# KiCad board leafony-ap03-stm32.kicad_pcb
title: Leafony AP03 STM32; date: 2025-07-06; rev: v1.0; company: mitdir Inc.
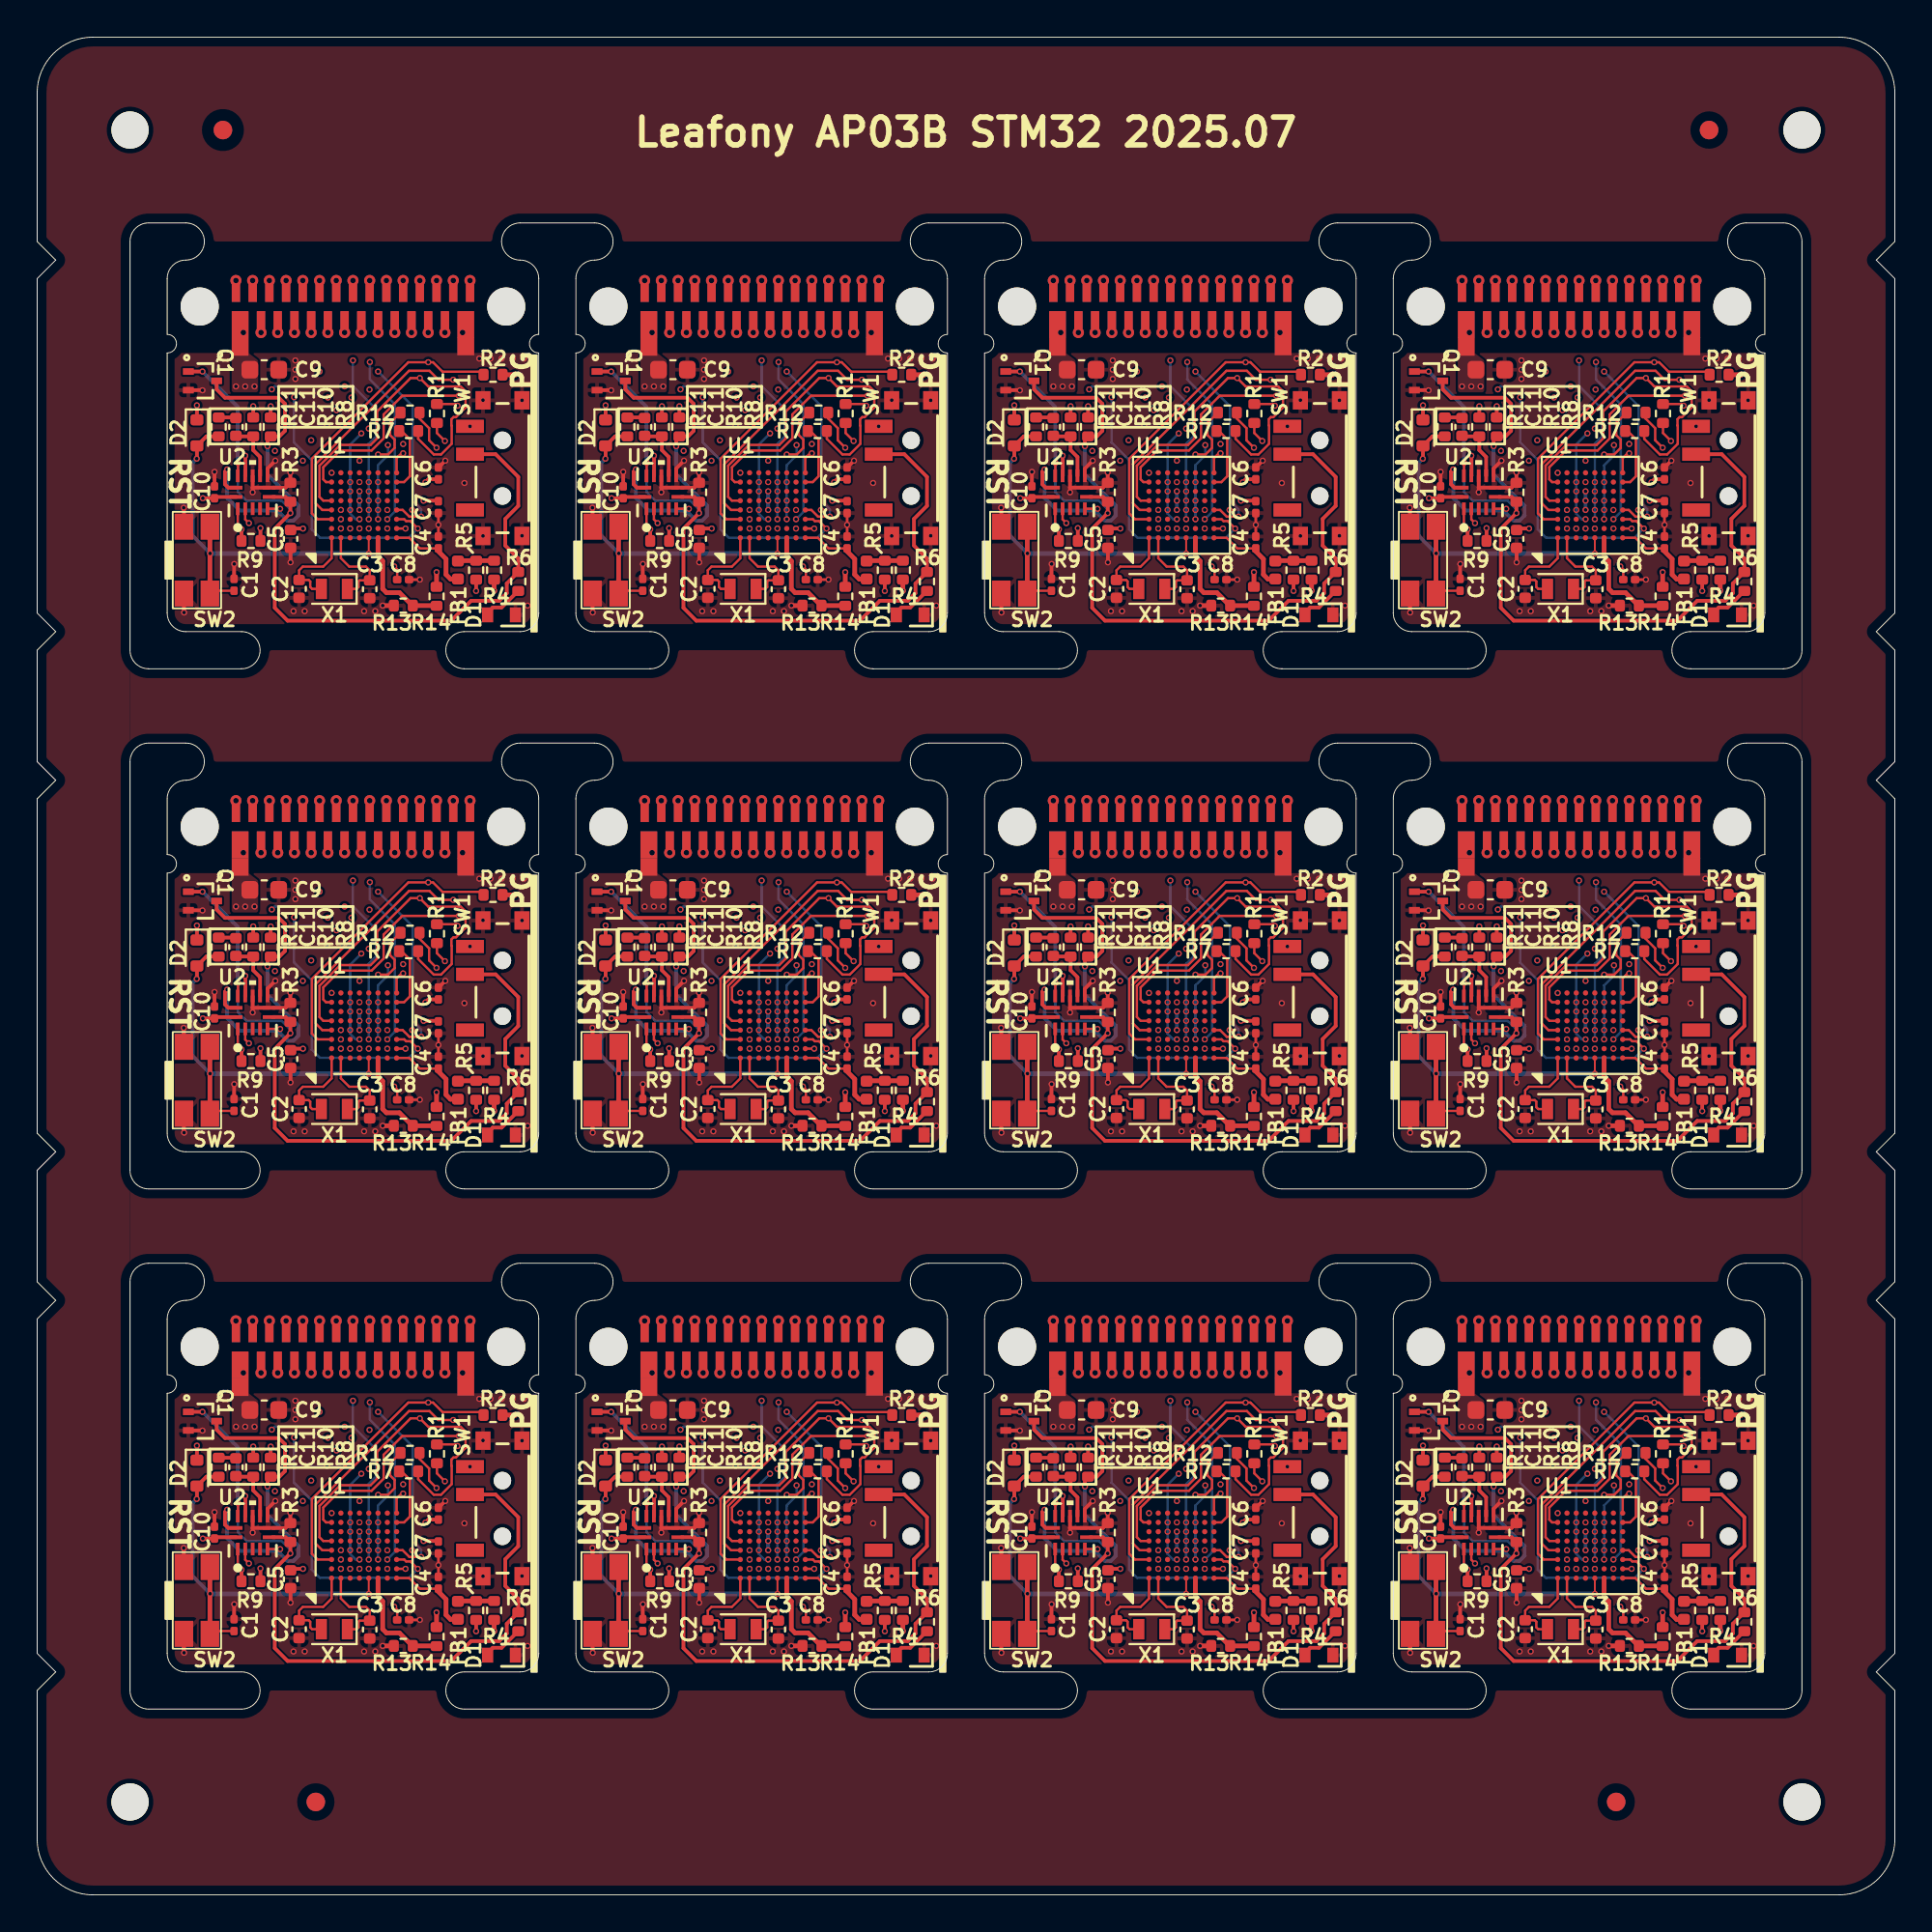
[diagram p0: board, top side]
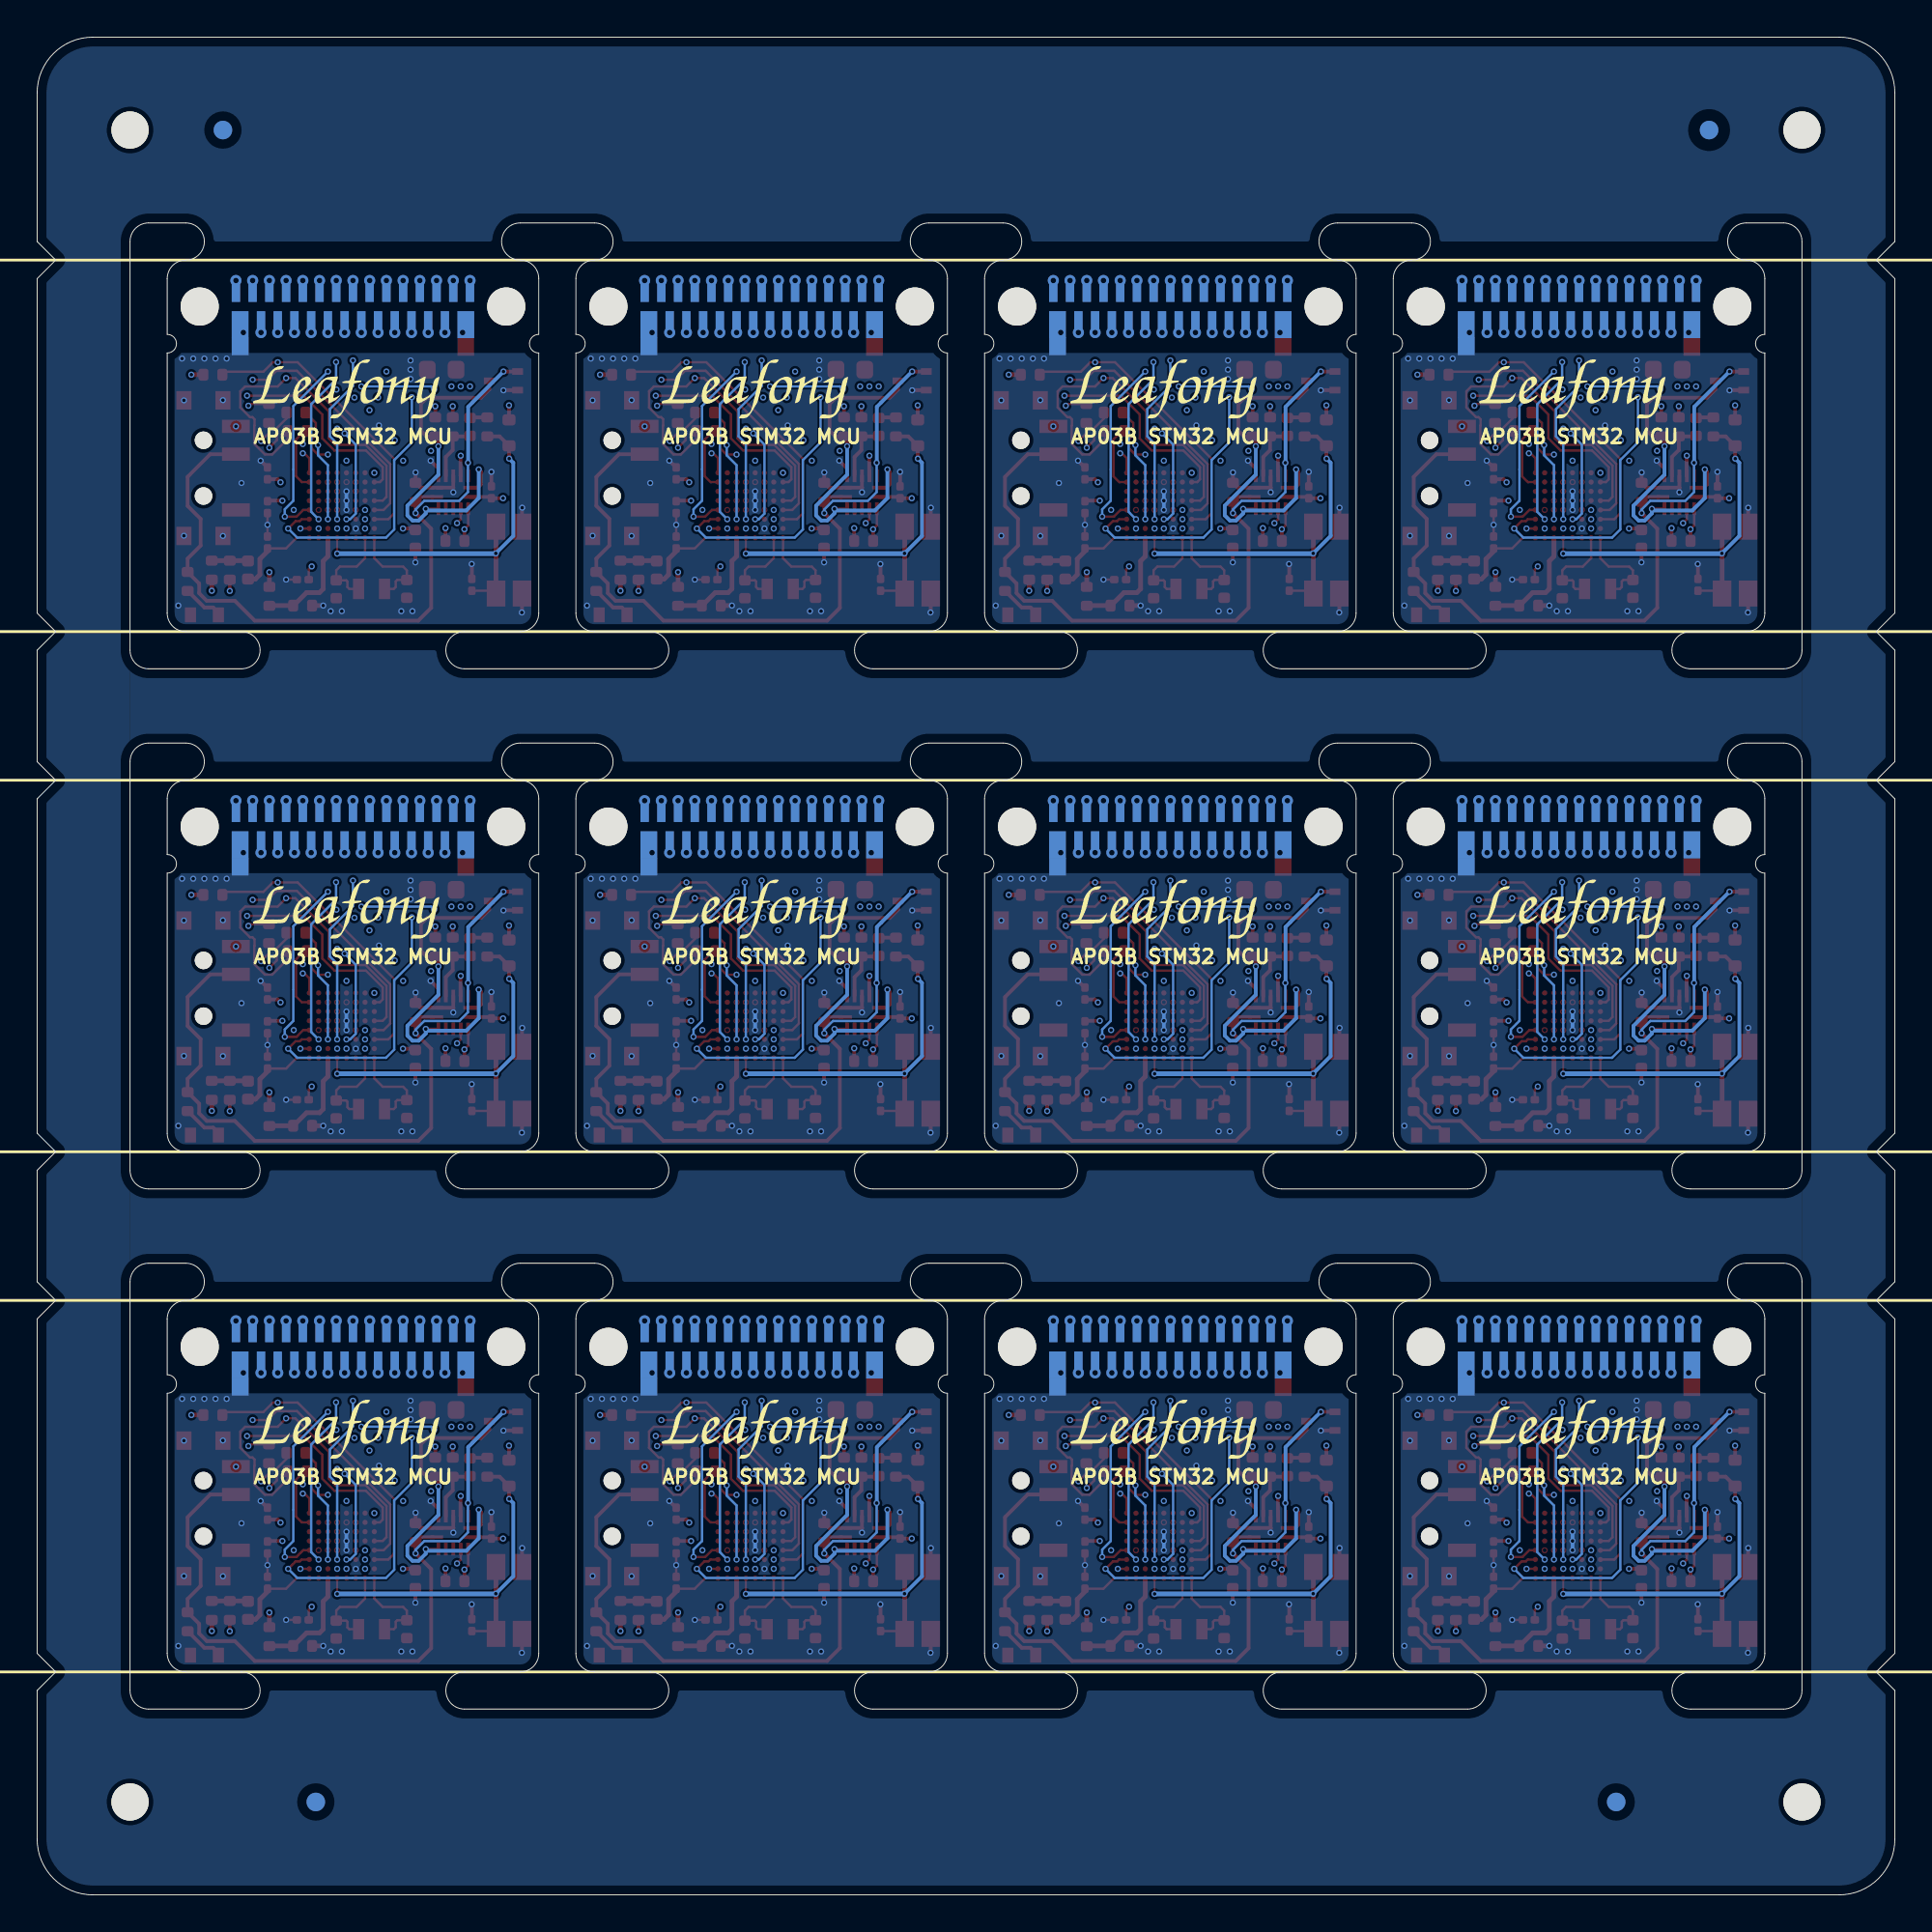
[diagram p1: board, bottom side, seen from below]

Outline 100 x 100 mm; copper layers: Top, In1.Cu, In2.Cu, In3.Cu (plane), In4.Cu (plane), Bottom. Coordinates in mm from the lower left corner of the outline.
Outline path: 0,97 arc(0.88,99.12) 3,100 97,100 arc(99.12,99.12) 100,97 100,89 99,88 100,87 100,69 99,68 100,67 100,61 99,60 100,59 100,41 99,40 100,39 100,33 99,32 100,31 100,13 99,12 100,11 100,3 arc(99.12,0.88) 97,0 3,0 arc(0.88,0.88) 0,3 0,11 1,12 0,13 0,31 1,32 0,33 0,39 1,40 0,41 0,59 1,60 0,61 0,67 1,68 0,69 0,87 1,88 0,89 0,97 ; 5,89 5,67 arc(5.29,66.29) 6,66 11,66 arc(12,67) 11,68 8,68 arc(7.29,68.29) 7,69 7,83 arc(7.5,83.5) 7,84 7,87 arc(7.29,87.71) 8,88 arc(9,89) 8,90 6,90 arc(5.29,89.71) 5,89 ; 5,61 5,39 arc(5.29,38.29) 6,38 11,38 arc(12,39) 11,40 8,40 arc(7.29,40.29) 7,41 7,55 arc(7.5,55.5) 7,56 7,59 arc(7.29,59.71) 8,60 arc(9,61) 8,62 6,62 arc(5.29,61.71) 5,61 ; 5,33 5,11 arc(5.29,10.29) 6,10 11,10 arc(12,11) 11,12 8,12 arc(7.29,12.29) 7,13 7,27 arc(7.5,27.5) 7,28 7,31 arc(7.29,31.71) 8,32 arc(9,33) 8,34 6,34 arc(5.29,33.71) 5,33 ; 23,68 26,68 arc(26.71,68.29) 27,69 27,83 arc(26.5,83.5) 27,84 27,87 arc(26.71,87.71) 26,88 arc(25,89) 26,90 30,90 arc(31,89) 30,88 arc(29.29,87.71) 29,87 29,84 arc(29.5,83.5) 29,83 29,69 arc(29.29,68.29) 30,68 33,68 arc(34,67) 33,66 23,66 arc(22,67) 23,68 ; 23,40 26,40 arc(26.71,40.29) 27,41 27,55 arc(26.5,55.5) 27,56 27,59 arc(26.71,59.71) 26,60 arc(25,61) 26,62 30,62 arc(31,61) 30,60 arc(29.29,59.71) 29,59 29,56 arc(29.5,55.5) 29,55 29,41 arc(29.29,40.29) 30,40 33,40 arc(34,39) 33,38 23,38 arc(22,39) 23,40 ; 23,12 26,12 arc(26.71,12.29) 27,13 27,27 arc(26.5,27.5) 27,28 27,31 arc(26.71,31.71) 26,32 arc(25,33) 26,34 30,34 arc(31,33) 30,32 arc(29.29,31.71) 29,31 29,28 arc(29.5,27.5) 29,27 29,13 arc(29.29,12.29) 30,12 33,12 arc(34,11) 33,10 23,10 arc(22,11) 23,12 ; 45,68 48,68 arc(48.71,68.29) 49,69 49,83 arc(48.5,83.5) 49,84 49,87 arc(48.71,87.71) 48,88 arc(47,89) 48,90 52,90 arc(53,89) 52,88 arc(51.29,87.71) 51,87 51,84 arc(51.5,83.5) 51,83 51,69 arc(51.29,68.29) 52,68 55,68 arc(56,67) 55,66 45,66 arc(44,67) 45,68 ; 45,40 48,40 arc(48.71,40.29) 49,41 49,55 arc(48.5,55.5) 49,56 49,59 arc(48.71,59.71) 48,60 arc(47,61) 48,62 52,62 arc(53,61) 52,60 arc(51.29,59.71) 51,59 51,56 arc(51.5,55.5) 51,55 51,41 arc(51.29,40.29) 52,40 55,40 arc(56,39) 55,38 45,38 arc(44,39) 45,40 ; 45,12 48,12 arc(48.71,12.29) 49,13 49,27 arc(48.5,27.5) 49,28 49,31 arc(48.71,31.71) 48,32 arc(47,33) 48,34 52,34 arc(53,33) 52,32 arc(51.29,31.71) 51,31 51,28 arc(51.5,27.5) 51,27 51,13 arc(51.29,12.29) 52,12 55,12 arc(56,11) 55,10 45,10 arc(44,11) 45,12 ; 67,68 70,68 arc(70.71,68.29) 71,69 71,83 arc(70.5,83.5) 71,84 71,87 arc(70.71,87.71) 70,88 arc(69,89) 70,90 74,90 arc(75,89) 74,88 arc(73.29,87.71) 73,87 73,84 arc(73.5,83.5) 73,83 73,69 arc(73.29,68.29) 74,68 77,68 arc(78,67) 77,66 67,66 arc(66,67) 67,68 ; 67,40 70,40 arc(70.71,40.29) 71,41 71,55 arc(70.5,55.5) 71,56 71,59 arc(70.71,59.71) 70,60 arc(69,61) 70,62 74,62 arc(75,61) 74,60 arc(73.29,59.71) 73,59 73,56 arc(73.5,55.5) 73,55 73,41 arc(73.29,40.29) 74,40 77,40 arc(78,39) 77,38 67,38 arc(66,39) 67,40 ; 67,12 70,12 arc(70.71,12.29) 71,13 71,27 arc(70.5,27.5) 71,28 71,31 arc(70.71,31.71) 70,32 arc(69,33) 70,34 74,34 arc(75,33) 74,32 arc(73.29,31.71) 73,31 73,28 arc(73.5,27.5) 73,27 73,13 arc(73.29,12.29) 74,12 77,12 arc(78,11) 77,10 67,10 arc(66,11) 67,12 ; 89,68 92,68 arc(92.71,68.29) 93,69 93,83 arc(92.5,83.5) 93,84 93,87 arc(92.71,87.71) 92,88 arc(91,89) 92,90 94,90 arc(94.71,89.71) 95,89 95,67 arc(94.71,66.29) 94,66 89,66 arc(88,67) 89,68 ; 89,40 92,40 arc(92.71,40.29) 93,41 93,55 arc(92.5,55.5) 93,56 93,59 arc(92.71,59.71) 92,60 arc(91,61) 92,62 94,62 arc(94.71,61.71) 95,61 95,39 arc(94.71,38.29) 94,38 89,38 arc(88,39) 89,40 ; 89,12 92,12 arc(92.71,12.29) 93,13 93,27 arc(92.5,27.5) 93,28 93,31 arc(92.71,31.71) 92,32 arc(91,33) 92,34 94,34 arc(94.71,33.71) 95,33 95,11 arc(94.71,10.29) 94,10 89,10 arc(88,11) 89,12
Stack: Top 0.035mm / dielectric 0.1mm FR4 er 4.5 / In1.Cu 0.035mm / dielectric 0.135mm FR4 er 4.5 / In2.Cu 0.035mm / dielectric 0.1mm FR4 er 4.5 / In3.Cu 0.035mm / dielectric 0.135mm FR4 er 4.5 / In4.Cu 0.035mm / dielectric 0.1mm FR4 er 4.5 / Bottom 0.035mm

## Placement (name value [footprint] x y rotation side)
C1  100nF(K)25V  [C_0201_0603Metric]  32.6 14.52 90 top
C1#2  100nF(K)25V  [C_0201_0603Metric]  10.6 14.52 90 top
C1#3  100nF(K)25V  [C_0201_0603Metric]  76.6 14.52 90 top
C1#4  100nF(K)25V  [C_0201_0603Metric]  10.6 70.52 90 top
C1#5  100nF(K)25V  [C_0201_0603Metric]  32.6 70.52 90 top
C1#6  100nF(K)25V  [C_0201_0603Metric]  76.6 42.52 90 top
C1#7  100nF(K)25V  [C_0201_0603Metric]  32.6 42.52 90 top
C1#8  100nF(K)25V  [C_0201_0603Metric]  76.6 70.52 90 top
C1#9  100nF(K)25V  [C_0201_0603Metric]  54.6 42.52 90 top
C1#10  100nF(K)25V  [C_0201_0603Metric]  10.6 42.52 90 top
C1#11  100nF(K)25V  [C_0201_0603Metric]  54.6 14.52 90 top
C1#12  100nF(K)25V  [C_0201_0603Metric]  54.6 70.52 90 top
C2  6pF(D)50V  [C_0402_1005Metric]  80.1 70.3 270 top
C2#2  6pF(D)50V  [C_0402_1005Metric]  36.1 14.3 270 top
C2#3  6pF(D)50V  [C_0402_1005Metric]  36.1 42.3 270 top
C2#4  6pF(D)50V  [C_0402_1005Metric]  58.1 42.3 270 top
C2#5  6pF(D)50V  [C_0402_1005Metric]  58.1 70.3 270 top
C2#6  6pF(D)50V  [C_0402_1005Metric]  14.1 14.3 270 top
C2#7  6pF(D)50V  [C_0402_1005Metric]  14.1 42.3 270 top
C2#8  6pF(D)50V  [C_0402_1005Metric]  80.1 14.3 270 top
C2#9  6pF(D)50V  [C_0402_1005Metric]  58.1 14.3 270 top
C2#10  6pF(D)50V  [C_0402_1005Metric]  80.1 42.3 270 top
C2#11  6pF(D)50V  [C_0402_1005Metric]  36.1 70.3 270 top
C2#12  6pF(D)50V  [C_0402_1005Metric]  14.1 70.3 270 top
C3  6pF(D)50V  [C_0402_1005Metric]  39.9 70.28 270 top
C3#2  6pF(D)50V  [C_0402_1005Metric]  83.9 70.28 270 top
C3#3  6pF(D)50V  [C_0402_1005Metric]  39.9 14.28 270 top
C3#4  6pF(D)50V  [C_0402_1005Metric]  61.9 42.28 270 top
C3#5  6pF(D)50V  [C_0402_1005Metric]  17.9 70.28 270 top
C3#6  6pF(D)50V  [C_0402_1005Metric]  39.9 42.28 270 top
C3#7  6pF(D)50V  [C_0402_1005Metric]  17.9 42.28 270 top
C3#8  6pF(D)50V  [C_0402_1005Metric]  83.9 42.28 270 top
C3#9  6pF(D)50V  [C_0402_1005Metric]  61.9 70.28 270 top
C3#10  6pF(D)50V  [C_0402_1005Metric]  61.9 14.28 270 top
C3#11  6pF(D)50V  [C_0402_1005Metric]  83.9 14.28 270 top
C3#12  6pF(D)50V  [C_0402_1005Metric]  17.9 14.28 270 top
C4  100nF(K)25V  [C_0201_0603Metric]  65.6 16.8 90 top
C4#2  100nF(K)25V  [C_0201_0603Metric]  21.6 44.8 90 top
C4#3  100nF(K)25V  [C_0201_0603Metric]  21.6 16.8 90 top
C4#4  100nF(K)25V  [C_0201_0603Metric]  87.6 16.8 90 top
C4#5  100nF(K)25V  [C_0201_0603Metric]  43.6 72.8 90 top
C4#6  100nF(K)25V  [C_0201_0603Metric]  43.6 44.8 90 top
C4#7  100nF(K)25V  [C_0201_0603Metric]  21.6 72.8 90 top
C4#8  100nF(K)25V  [C_0201_0603Metric]  65.6 44.8 90 top
C4#9  100nF(K)25V  [C_0201_0603Metric]  87.6 44.8 90 top
C4#10  100nF(K)25V  [C_0201_0603Metric]  65.6 72.8 90 top
C4#11  100nF(K)25V  [C_0201_0603Metric]  43.6 16.8 90 top
C4#12  100nF(K)25V  [C_0201_0603Metric]  87.6 72.8 90 top
C5  1uF(K)16V  [C_0402_1005Metric]  79.64 16.99 270 top
C5#2  1uF(K)16V  [C_0402_1005Metric]  13.64 16.99 270 top
C5#3  1uF(K)16V  [C_0402_1005Metric]  35.64 16.99 270 top
C5#4  1uF(K)16V  [C_0402_1005Metric]  57.64 16.99 270 top
C5#5  1uF(K)16V  [C_0402_1005Metric]  35.64 72.99 270 top
C5#6  1uF(K)16V  [C_0402_1005Metric]  13.64 44.99 270 top
C5#7  1uF(K)16V  [C_0402_1005Metric]  35.64 44.99 270 top
C5#8  1uF(K)16V  [C_0402_1005Metric]  13.64 72.99 270 top
C5#9  1uF(K)16V  [C_0402_1005Metric]  79.64 72.99 270 top
C5#10  1uF(K)16V  [C_0402_1005Metric]  79.64 44.99 270 top
C5#11  1uF(K)16V  [C_0402_1005Metric]  57.64 72.99 270 top
C5#12  1uF(K)16V  [C_0402_1005Metric]  57.64 44.99 270 top
C6  100nF(K)25V  [C_0201_0603Metric]  87.6 20.52 90 top
C6#2  100nF(K)25V  [C_0201_0603Metric]  87.6 48.52 90 top
C6#3  100nF(K)25V  [C_0201_0603Metric]  21.6 48.52 90 top
C6#4  100nF(K)25V  [C_0201_0603Metric]  21.6 76.52 90 top
C6#5  100nF(K)25V  [C_0201_0603Metric]  65.6 76.52 90 top
C6#6  100nF(K)25V  [C_0201_0603Metric]  65.6 20.52 90 top
C6#7  100nF(K)25V  [C_0201_0603Metric]  43.6 48.52 90 top
C6#8  100nF(K)25V  [C_0201_0603Metric]  43.6 76.52 90 top
C6#9  100nF(K)25V  [C_0201_0603Metric]  65.6 48.52 90 top
C6#10  100nF(K)25V  [C_0201_0603Metric]  87.6 76.52 90 top
C6#11  100nF(K)25V  [C_0201_0603Metric]  21.6 20.52 90 top
C6#12  100nF(K)25V  [C_0201_0603Metric]  43.6 20.52 90 top
C7  100nF(K)25V  [C_0201_0603Metric]  21.6 74.7 270 top
C7#2  100nF(K)25V  [C_0201_0603Metric]  65.6 46.7 270 top
C7#3  100nF(K)25V  [C_0201_0603Metric]  21.6 18.7 270 top
C7#4  100nF(K)25V  [C_0201_0603Metric]  21.6 46.7 270 top
C7#5  100nF(K)25V  [C_0201_0603Metric]  87.6 46.7 270 top
C7#6  100nF(K)25V  [C_0201_0603Metric]  43.6 74.7 270 top
C7#7  100nF(K)25V  [C_0201_0603Metric]  65.6 18.7 270 top
C7#8  100nF(K)25V  [C_0201_0603Metric]  87.6 18.7 270 top
C7#9  100nF(K)25V  [C_0201_0603Metric]  43.6 46.7 270 top
C7#10  100nF(K)25V  [C_0201_0603Metric]  87.6 74.7 270 top
C7#11  100nF(K)25V  [C_0201_0603Metric]  43.6 18.7 270 top
C7#12  100nF(K)25V  [C_0201_0603Metric]  65.6 74.7 270 top
C8  100nF(K)25V  [C_0201_0603Metric]  63.7 14.8 0 top
C8#2  100nF(K)25V  [C_0201_0603Metric]  41.7 70.8 0 top
C8#3  100nF(K)25V  [C_0201_0603Metric]  19.7 14.8 0 top
C8#4  100nF(K)25V  [C_0201_0603Metric]  85.7 70.8 0 top
C8#5  100nF(K)25V  [C_0201_0603Metric]  19.7 70.8 0 top
C8#6  100nF(K)25V  [C_0201_0603Metric]  85.7 42.8 0 top
C8#7  100nF(K)25V  [C_0201_0603Metric]  41.7 42.8 0 top
C8#8  100nF(K)25V  [C_0201_0603Metric]  63.7 42.8 0 top
C8#9  100nF(K)25V  [C_0201_0603Metric]  85.7 14.8 0 top
C8#10  100nF(K)25V  [C_0201_0603Metric]  63.7 70.8 0 top
C8#11  100nF(K)25V  [C_0201_0603Metric]  19.7 42.8 0 top
C8#12  100nF(K)25V  [C_0201_0603Metric]  41.7 14.8 0 top
C9  10uF(M)25V  [C_0603_1608Metric]  12.22 82.1 0 top
C9#2  10uF(M)25V  [C_0603_1608Metric]  78.22 26.1 0 top
C9#3  10uF(M)25V  [C_0603_1608Metric]  78.22 54.1 0 top
C9#4  10uF(M)25V  [C_0603_1608Metric]  56.22 26.1 0 top
C9#5  10uF(M)25V  [C_0603_1608Metric]  34.22 26.1 0 top
C9#6  10uF(M)25V  [C_0603_1608Metric]  34.22 82.1 0 top
C9#7  10uF(M)25V  [C_0603_1608Metric]  56.22 54.1 0 top
C9#8  10uF(M)25V  [C_0603_1608Metric]  12.22 26.1 0 top
C9#9  10uF(M)25V  [C_0603_1608Metric]  12.22 54.1 0 top
C9#10  10uF(M)25V  [C_0603_1608Metric]  56.22 82.1 0 top
C9#11  10uF(M)25V  [C_0603_1608Metric]  34.22 54.1 0 top
C9#12  10uF(M)25V  [C_0603_1608Metric]  78.22 82.1 0 top
C10  100nF(K)25V  [C_0201_0603Metric]  53.55 19.5 90 top
C10#2  100nF(K)25V  [C_0201_0603Metric]  9.55 47.5 90 top
C10#3  100nF(K)25V  [C_0201_0603Metric]  75.55 47.5 90 top
C10#4  100nF(K)25V  [C_0201_0603Metric]  53.55 75.5 90 top
C10#5  100nF(K)25V  [C_0201_0603Metric]  31.55 75.5 90 top
C10#6  100nF(K)25V  [C_0201_0603Metric]  75.55 75.5 90 top
C10#7  100nF(K)25V  [C_0201_0603Metric]  9.55 19.5 90 top
C10#8  100nF(K)25V  [C_0201_0603Metric]  53.55 47.5 90 top
C10#9  100nF(K)25V  [C_0201_0603Metric]  31.55 47.5 90 top
C10#10  100nF(K)25V  [C_0201_0603Metric]  9.55 75.5 90 top
C10#11  100nF(K)25V  [C_0201_0603Metric]  31.55 19.5 90 top
C10#12  100nF(K)25V  [C_0201_0603Metric]  75.55 19.5 90 top
C11  470nF(K)25V  [C_0402_1005Metric]  32.7 23.02 90 top
C11#2  470nF(K)25V  [C_0402_1005Metric]  54.7 51.02 90 top
C11#3  470nF(K)25V  [C_0402_1005Metric]  10.7 23.02 90 top
C11#4  470nF(K)25V  [C_0402_1005Metric]  76.7 79.02 90 top
C11#5  470nF(K)25V  [C_0402_1005Metric]  76.7 23.02 90 top
C11#6  470nF(K)25V  [C_0402_1005Metric]  54.7 79.02 90 top
C11#7  470nF(K)25V  [C_0402_1005Metric]  76.7 51.02 90 top
C11#8  470nF(K)25V  [C_0402_1005Metric]  10.7 51.02 90 top
C11#9  470nF(K)25V  [C_0402_1005Metric]  32.7 51.02 90 top
C11#10  470nF(K)25V  [C_0402_1005Metric]  10.7 79.02 90 top
C11#11  470nF(K)25V  [C_0402_1005Metric]  32.7 79.02 90 top
C11#12  470nF(K)25V  [C_0402_1005Metric]  54.7 23.02 90 top
CN1  Leafony Bus  [CN_F29_B29]  32.92 84.53 0 top
CN1#2  Leafony Bus  [CN_F29_B29]  76.93 28.53 0 top
CN1#3  Leafony Bus  [CN_F29_B29]  54.92 28.53 0 top
CN1#4  Leafony Bus  [CN_F29_B29]  54.92 56.53 0 top
CN1#5  Leafony Bus  [CN_F29_B29]  10.92 84.53 0 top
CN1#6  Leafony Bus  [CN_F29_B29]  76.93 84.53 0 top
CN1#7  Leafony Bus  [CN_F29_B29]  32.92 28.53 0 top
CN1#8  Leafony Bus  [CN_F29_B29]  10.92 28.53 0 top